# KiCad board weird65.kicad_pcb
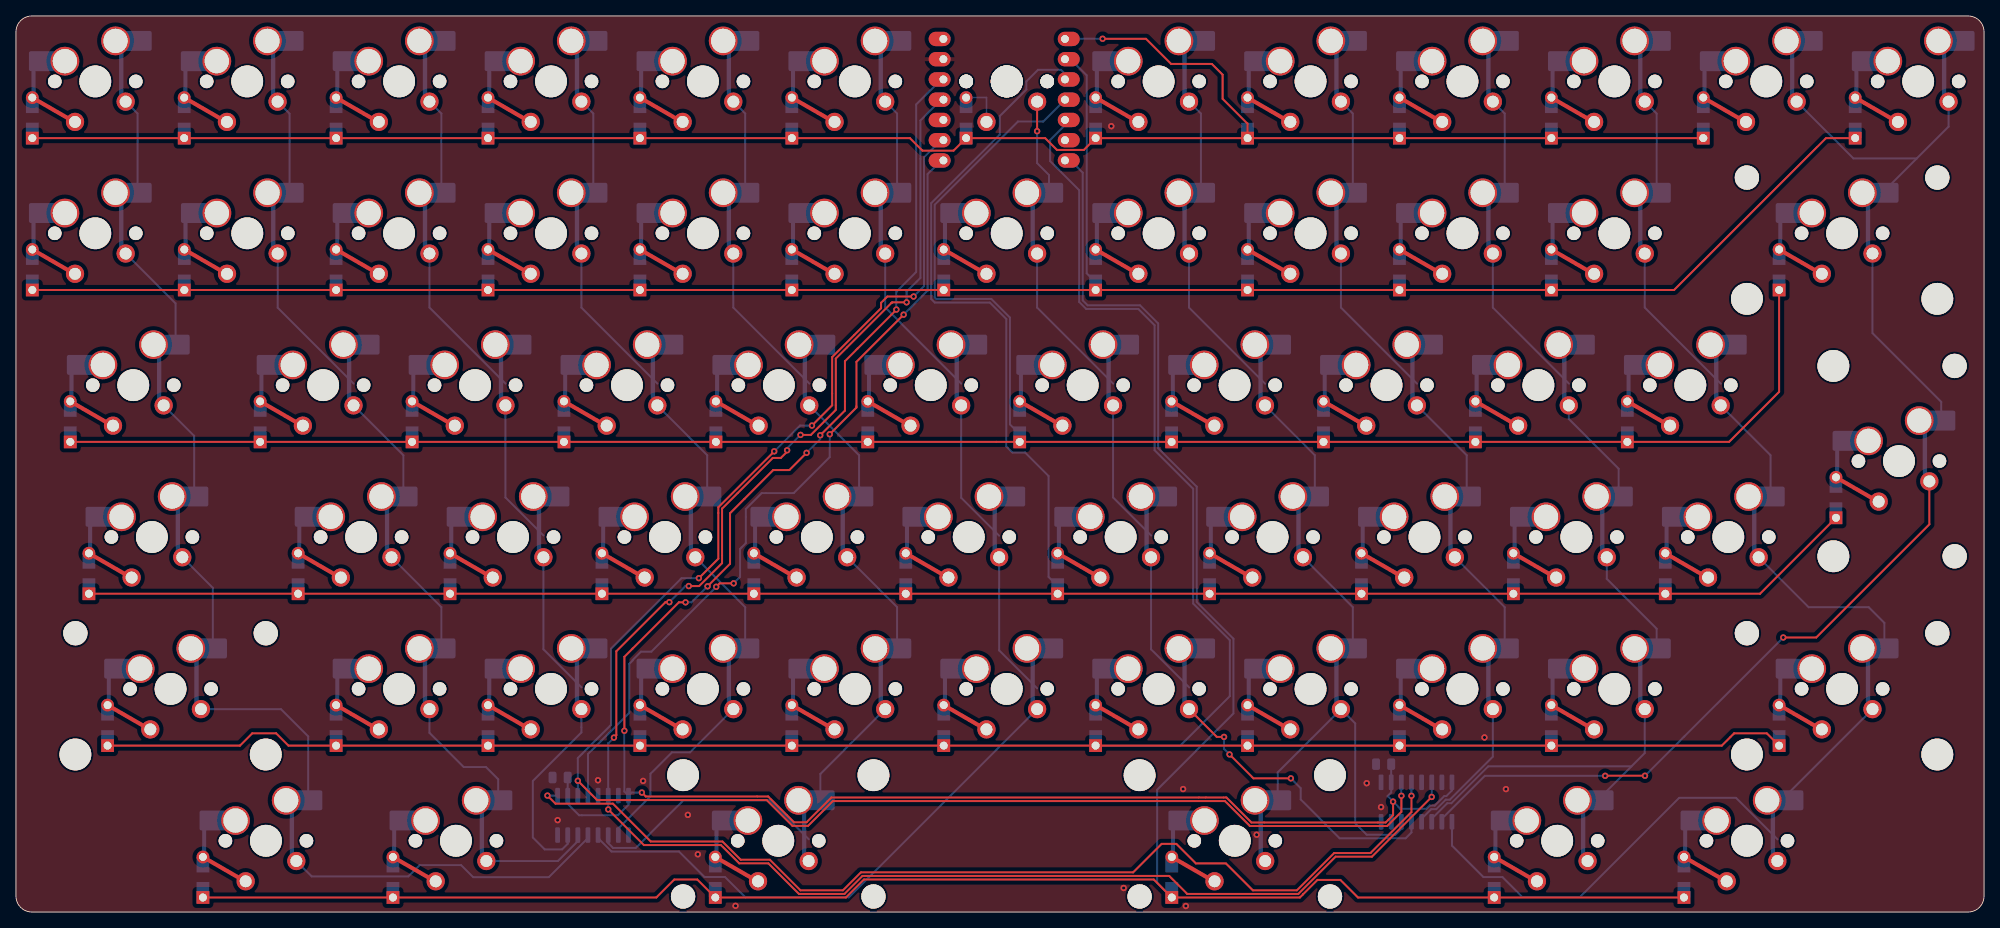
[diagram p0: board, top side]
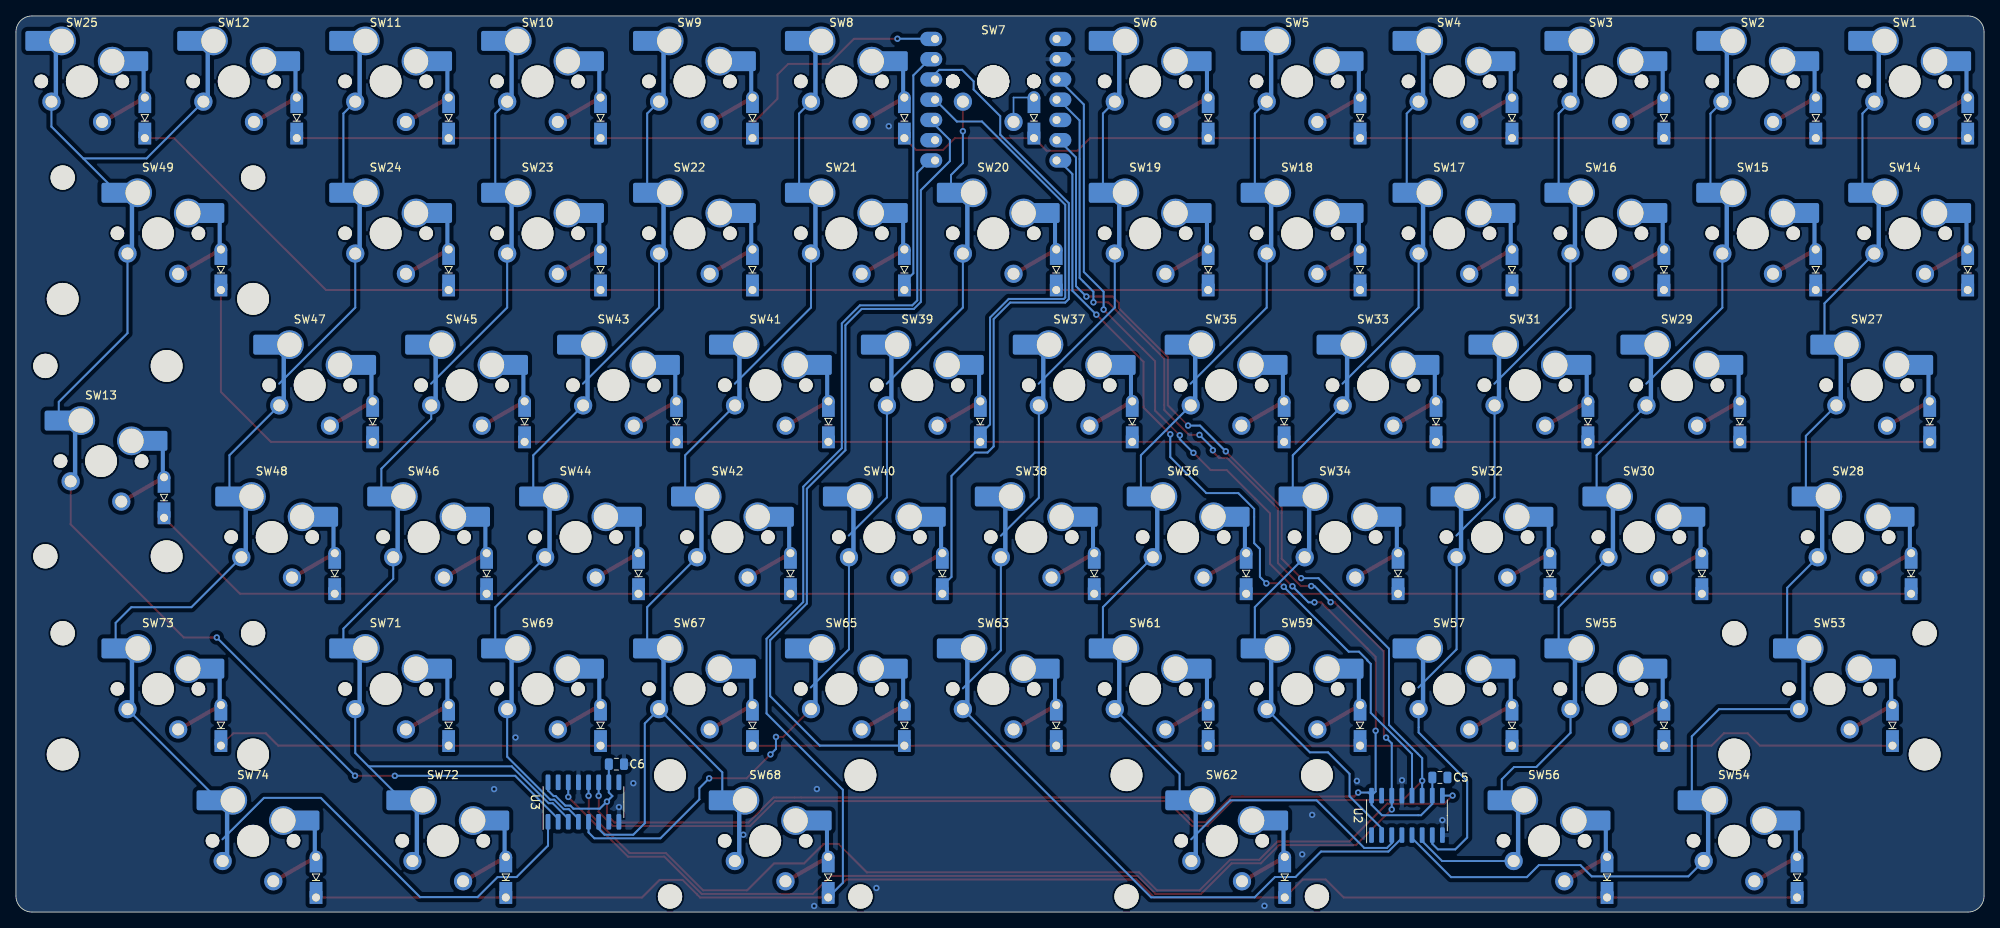
[diagram p1: board, bottom side, seen from below]

Outline 246.81 x 112.4 mm; copper layers: Top, Bottom. Coordinates in mm from the lower left corner of the outline.
Outline path: 0,110.4 0,2 arc(0.59,0.59) 2,0 244.81,0 arc(246.22,0.59) 246.81,2 246.81,110.4 arc(246.22,111.81) 244.81,112.4 2,112.4 arc(0.59,111.81) 0,110.4

## Placement (name value [footprint] x y rotation side)
C5  0.1uF  [C_0805_2012Metric]  68.24 16.88 180 bottom
C6  0.1uF  [C_0805_2012Metric]  171.51 18.55 180 bottom
stab1  MountingHole  [Stabilizer_Cherry_MX_2.00u]  229.01 85.14 0 top
stab2  MountingHole  [Stabilizer_Cherry_MX_2.00u]  236.14 56.56 270 top
stab3  MountingHole  [Stabilizer_Cherry_MX_2.00u]  229.01 27.99 0 top
stab4  MountingHole  [Stabilizer_Cherry_MX_2.00u]  152.85 8.94 180 top
stab5  MountingHole  [Stabilizer_Cherry_MX_2.00u]  95.6 8.94 180 top
stab6  MountingHole  [Stabilizer_Cherry_MX_2.00u]  19.39 27.99 0 top
SW1  SW_Diode  [MX_solder-hotswap_withPads_flippedPins]  9.95 104.19 0 top
SW2  SW_Diode  [MX_solder-hotswap_withPads_flippedPins]  29 104.19 0 top
SW3  SW_Diode  [MX_solder-hotswap_withPads_flippedPins]  48.05 104.19 0 top
SW4  SW_Diode  [MX_solder-hotswap_withPads_flippedPins]  67.1 104.19 0 top
SW5  SW_Diode  [MX_solder-hotswap_withPads_flippedPins]  86.15 104.19 0 top
SW6  SW_Diode  [MX_solder-hotswap_withPads_flippedPins]  105.2 104.19 0 top
SW7  SW_Diode  [MX_solder_flippedPins]  124.25 104.19 0 top
SW8  SW_Diode  [MX_solder-hotswap_withPads_flippedPins]  143.3 104.19 0 top
SW9  SW_Diode  [MX_solder-hotswap_withPads_flippedPins]  162.35 104.19 0 top
SW10  SW_Diode  [MX_solder-hotswap_withPads_flippedPins]  181.4 104.19 0 top
SW11  SW_Diode  [MX_solder-hotswap_withPads_flippedPins]  200.45 104.19 0 top
SW12  SW_Diode  [MX_solder-hotswap_withPads_flippedPins]  219.5 104.19 0 top
SW13  SW_Diode  [MX_solder-hotswap_withPads_flippedPins]  236.14 56.56 0 top
SW14  SW_Diode  [MX_solder-hotswap_withPads_flippedPins]  9.95 85.14 0 top
SW15  SW_Diode  [MX_solder-hotswap_withPads_flippedPins]  29.01 85.14 0 top
SW16  SW_Diode  [MX_solder-hotswap_withPads_flippedPins]  48.05 85.14 0 top
SW17  SW_Diode  [MX_solder-hotswap_withPads_flippedPins]  67.1 85.14 0 top
SW18  SW_Diode  [MX_solder-hotswap_withPads_flippedPins]  86.15 85.14 0 top
SW19  SW_Diode  [MX_solder-hotswap_withPads_flippedPins]  105.2 85.14 0 top
SW20  SW_Diode  [MX_solder-hotswap_withPads_flippedPins]  124.25 85.14 0 top
SW21  SW_Diode  [MX_solder-hotswap_withPads_flippedPins]  143.3 85.14 0 top
SW22  SW_Diode  [MX_solder-hotswap_withPads_flippedPins]  162.35 85.14 0 top
SW23  SW_Diode  [MX_solder-hotswap_withPads_flippedPins]  181.4 85.14 0 top
SW24  SW_Diode  [MX_solder-hotswap_withPads_flippedPins]  200.45 85.14 0 top
SW25  SW_Diode  [MX_solder-hotswap_withPads_flippedPins]  238.55 104.19 0 top
SW27  SW_Diode  [MX_solder-hotswap_withPads_flippedPins]  14.71 66.09 0 top
SW28  SW_Diode  [MX_solder-hotswap_withPads_flippedPins]  17.05 47.04 0 top
SW29  SW_Diode  [MX_solder-hotswap_withPads_flippedPins]  38.52 66.09 0 top
SW30  SW_Diode  [MX_solder-hotswap_withPads_flippedPins]  43.29 47.04 0 top
SW31  SW_Diode  [MX_solder-hotswap_withPads_flippedPins]  57.57 66.09 0 top
SW32  SW_Diode  [MX_solder-hotswap_withPads_flippedPins]  62.34 47.04 0 top
SW33  SW_Diode  [MX_solder-hotswap_withPads_flippedPins]  76.62 66.09 0 top
SW34  SW_Diode  [MX_solder-hotswap_withPads_flippedPins]  81.39 47.04 0 top
SW35  SW_Diode  [MX_solder-hotswap_withPads_flippedPins]  95.67 66.09 0 top
SW36  SW_Diode  [MX_solder-hotswap_withPads_flippedPins]  100.44 47.04 0 top
SW37  SW_Diode  [MX_solder-hotswap_withPads_flippedPins]  114.72 66.09 0 top
SW38  SW_Diode  [MX_solder-hotswap_withPads_flippedPins]  119.49 47.04 0 top
SW39  SW_Diode  [MX_solder-hotswap_withPads_flippedPins]  133.77 66.09 0 top
SW40  SW_Diode  [MX_solder-hotswap_withPads_flippedPins]  138.54 47.04 0 top
SW41  SW_Diode  [MX_solder-hotswap_withPads_flippedPins]  152.82 66.09 0 top
SW42  SW_Diode  [MX_solder-hotswap_withPads_flippedPins]  157.59 47.04 0 top
SW43  SW_Diode  [MX_solder-hotswap_withPads_flippedPins]  171.87 66.09 0 top
SW44  SW_Diode  [MX_solder-hotswap_withPads_flippedPins]  176.64 47.04 0 top
SW45  SW_Diode  [MX_solder-hotswap_withPads_flippedPins]  190.92 66.09 0 top
SW46  SW_Diode  [MX_solder-hotswap_withPads_flippedPins]  195.69 47.04 0 top
SW47  SW_Diode  [MX_solder-hotswap_withPads_flippedPins]  209.97 66.09 0 top
SW48  SW_Diode  [MX_solder-hotswap_withPads_flippedPins]  214.74 47.04 0 top
SW49  SW_Diode  [MX_solder-hotswap_withPads_flippedPins]  229.01 85.14 0 top
SW53  SW_Diode  [MX_solder-hotswap_withPads_flippedPins]  19.39 27.99 0 top
SW54  SW_Diode  [MX_solder-hotswap_withPads_flippedPins]  31.35 8.94 0 top
SW55  SW_Diode  [MX_solder-hotswap_withPads_flippedPins]  48.05 27.99 0 top
SW56  SW_Diode  [MX_solder-hotswap_withPads_flippedPins]  55.18 8.94 0 top
SW57  SW_Diode  [MX_solder-hotswap_withPads_flippedPins]  67.1 27.99 0 top
SW59  SW_Diode  [MX_solder-hotswap_withPads_flippedPins]  86.15 27.99 0 top
SW61  SW_Diode  [MX_solder-hotswap_withPads_flippedPins]  105.2 27.99 0 top
SW62  SW_Diode  [MX_solder-hotswap_withPads_flippedPins]  95.6 8.94 0 top
SW63  SW_Diode  [MX_solder-hotswap_withPads_flippedPins]  124.25 27.99 0 top
SW65  SW_Diode  [MX_solder-hotswap_withPads_flippedPins]  143.3 27.99 0 top
SW67  SW_Diode  [MX_solder-hotswap_withPads_flippedPins]  162.35 27.99 0 top
SW68  SW_Diode  [MX_solder-hotswap_withPads_flippedPins]  152.85 8.94 0 top
SW69  SW_Diode  [MX_solder-hotswap_withPads_flippedPins]  181.4 27.99 0 top
SW71  SW_Diode  [MX_solder-hotswap_withPads_flippedPins]  200.45 27.99 0 top
SW72  SW_Diode  [MX_solder-hotswap_withPads_flippedPins]  193.28 8.94 0 top
SW73  SW_Diode  [MX_solder-hotswap_withPads_flippedPins]  229.01 27.99 0 top
SW74  SW_Diode  [MX_solder-hotswap_withPads_flippedPins]  217.08 8.94 0 top
U1  SeeeduinoXIAO  [xiao-ble-tht-noUnderpads-backmounted]  123.93 101.9 180 bottom
U2  74HC595  [SOIC-16_3.9x9.9mm_P1.27mm]  72.37 12.13 90 bottom
U3  74HC595  [SOIC-16_3.9x9.9mm_P1.27mm]  175.64 13.8 90 bottom

## Library data of the parts
C5 C6 = -: Description: Unpolarized capacitor; LCSC: C77456; manf#: 0805B104K101CT
stab1-stab6 = -: Description: Mounting Hole without connection
SW1-SW25 SW27-SW49 SW53-SW57 SW59 SW61-SW63 SW65 SW67-SW69 SW71-SW74 = -: Description: Push button switch, generic, two pins
U2 U3 = -: Description: 8-bit serial in/out Shift Register 3-State Outputs; LCSC: C10092

## Footprints (pads in the part's own frame, mm; a bottom-side part is the same pattern mirrored in y, then rotated)
C_0805_2012Metric
  rrect 1x1.45 smd: 1(-0.95,0) 2(0.95,0)
MX_solder-hotswap_withPads_flippedPins
  round 1.702 hole 1.702 unplated: (-5.08,0) (5.08,0)
  round 2.286 hole 1.499: (-2.54,-5.08) 1(3.81,-2.54)
  round 3.988 hole 3.988 unplated: (0,0)
  round 3.6 hole 3.05: 1(2.54,5.08) 3(-3.81,2.54)
  rrect 0.544x6.1 smd far side: 1(3.253,0.85)
  rrect 3.55x2.5 smd far side: 1(5.3,5.08) 3(-6.55,2.54)
  rect 1.6x1.94 smd far side: 2(-7.9,-6.144) 3(-7.9,-3.004)
  rect 1.6x1.6 hole 1: 2(-7.9,-7.114)
  round 1.6 hole 1: 3(-7.9,-2.034)
  rect 0.506x3.31 smd far side: 3(-7.746,0.115)
  rect 0.506x5.36 smd rot 60: 3(-5.399,-3.479)
MX_solder_flippedPins
  round 1.6 hole 1: (-5.1,-2.034)
  rect 1.6x1.94 smd far side: (-5.1,-3.004) (-5.1,-6.144)
  round 1.702 hole 1.702 unplated: (-5.08,0) (-5.08,0) (-5.08,0) (5.08,0) (5.08,0) (5.08,0)
  round 2.286 hole 1.499: (-2.54,-5.08) 1(3.81,-2.54)
  round 3.988 hole 3.988 unplated: (0,0) (0,0) (0,0)
  rect 1.6x1.6 hole 1: 2(-5.1,-7.114)
SOIC-16_3.9x9.9mm_P1.27mm
  rrect 1.95x0.6 smd: 1(-2.475,4.445) 2(-2.475,3.175) 3(-2.475,1.905) 4(-2.475,0.635) 5(-2.475,-0.635) 6(-2.475,-1.905) 7(-2.475,-3.175) 8(-2.475,-4.445) 9(2.475,-4.445) 10(2.475,-3.175) 11(2.475,-1.905) 12(2.475,-0.635) 13(2.475,0.635) 14(2.475,1.905) 15(2.475,3.175) 16(2.475,4.445)
Stabilizer_Cherry_MX_2.00u
  round 3.048 hole 3.048 unplated: (-11.938,6.985) (11.938,6.985)
  round 3.988 hole 3.988 unplated: (-11.938,-8.225) (11.938,-8.225)
xiao-ble-tht-noUnderpads-backmounted
  oval 2.75x1.8 hole 1: 1(-7.62,7.62) 2(-7.62,5.08) 3(-7.62,2.54) 4(-7.62,0) 5(-7.62,-2.54) 6(-7.62,-5.08) 7(-7.62,-7.62) 8(7.62,-7.62) 9(7.62,-5.08) 10(7.62,-2.54) 11(7.62,0) 12(7.62,2.54) 13(7.62,5.08) 14(7.62,7.62)

## Nets
GND: C5.2 C6.2 U1.13 U2.8 U2.13 U3.8 U3.13
VCC: C5.1 C6.1 U1.12 U2.10 U2.16 U3.10 U3.16
col1: SW1.1 SW14.1 SW27.1 SW28.1 SW53.1 SW54.1 U2.5
col2: SW2.1 SW15.1 SW29.1 SW30.1 SW55.1 SW56.1 U2.6
col3: SW3.1 SW16.1 SW31.1 SW32.1 SW57.1 U2.7
col4: SW4.1 SW17.1 SW33.1 SW34.1 SW59.1 U2.2
col5: SW5.1 SW18.1 SW35.1 SW36.1 SW61.1 SW62.1 U2.3
col6: SW6.1 SW19.1 SW37.1 SW38.1 SW63.1 U2.4
col7: SW7.1 SW20.1 SW39.1 SW40.1 SW65.1 U3.5
col8: SW8.1 SW21.1 SW41.1 SW42.1 SW67.1 SW68.1 U3.6
col9: SW9.1 SW22.1 SW43.1 SW44.1 SW69.1 U3.4
col10: SW10.1 SW23.1 SW45.1 SW46.1 SW71.1 SW72.1 U3.3
col11: SW11.1 SW24.1 SW47.1 SW48.1 SW73.1 SW74.1 U3.1
col12: SW12.1 SW13.1 SW25.1 SW49.1 U3.2
MOSI: U1.11 U2.14 U3.14
row1: SW1.2 SW2.2 SW3.2 SW4.2 SW5.2 SW6.2 SW7.2 SW8.2 SW9.2 SW10.2 SW11.2 SW12.2 U1.1
row2: SW14.2 SW15.2 SW16.2 SW17.2 SW18.2 SW19.2 SW20.2 SW21.2 SW22.2 SW23.2 SW24.2 SW25.2 U1.2
row3: SW27.2 SW29.2 SW31.2 SW33.2 SW35.2 SW37.2 SW39.2 SW41.2 SW43.2 SW45.2 SW47.2 SW49.2 U1.4
row4: SW13.2 SW28.2 SW30.2 SW32.2 SW34.2 SW36.2 SW38.2 SW40.2 SW42.2 SW44.2 SW46.2 SW48.2 U1.3
row5: SW53.2 SW55.2 SW57.2 SW59.2 SW61.2 SW63.2 SW65.2 SW67.2 SW69.2 SW71.2 SW73.2 U1.5
row6: SW54.2 SW56.2 SW62.2 SW68.2 SW72.2 SW74.2 U1.7
SCLK: U1.9 U2.11 U3.11
SR_CS1: U1.8 U2.12
Net-(U2-QH'): U2.9 U3.12

Pads without a net: SW1 3; SW2 3; SW3 3; SW4 3; SW5 3; SW6 3; SW8 3; SW9 3; SW10 3; SW11 3; SW12 3; SW13 3; SW14 3; SW15 3; SW16 3; SW17 3; SW18 3; SW19 3; SW20 3; SW21 3; SW22 3; SW23 3; SW24 3; SW25 3; SW27 3; SW28 3; SW29 3; SW30 3; SW31 3; SW32 3; SW33 3; SW34 3; SW35 3; SW36 3; SW37 3; SW38 3; SW39 3; SW40 3; SW41 3; SW42 3; SW43 3; SW44 3; SW45 3; SW46 3; SW47 3; SW48 3; SW49 3; SW53 3; SW54 3; SW55 3; SW56 3; SW57 3; SW59 3; SW61 3; SW62 3; SW63 3; SW65 3; SW67 3; SW68 3; SW69 3; SW71 3; SW72 3; SW73 3; SW74 3; U1 6 10 14; U2 1 15; U3 7 9 15

## Via types
v1: diameter 0.8, hole 0.4, Top to Bottom, 51 vias

## Routing (per net, layer and track width the routed paths; a pad name or vN(x,y) marks a point on that pad's centre or on a via; arc(x,y) is an arc through that point)
GND:
  vias: v1(67.93,11.53) v1(72.99,16.53) v1(78.65,16.45) v1(84.26,12.19) v1(85.51,7.24) v1(90.24,0.78) v1(137.36,98.57) v1(138.91,3.02) v1(146.37,15.43) v1(146.71,0.76) v1(155.59,9.7) v1(169.39,16.16) v1(171.19,13.17) v1(184.16,21.9) v1(186.85,15.42)
VCC: length 239
  Top w0.25: v1(110.41,75.57) 110.41,75.55 103.96,69.1 103.96,62.9 v1(100.86,59.8) ; v1(99.15,57.6) 96.99,55.44 94.97,55.44 89.55,50.02 89.55,43.68 v1(86.73,40.86) ; v1(83.97,38.85) 83.13,38.85 76.3,32.02 v1(76.3,22.74) ; v1(172.7,13.85) 172.7,12.17 171.77,11.24 154.93,11.24 151.8,14.37 102.25,14.37 99.14,11.26 97.57,11.26 94.33,14.5 78.99,14.5 v1(78.49,14.99)
  Bottom w0.25: v1(83.97,38.85) 84.72,38.85 v1(86.73,40.86) ; 76.81,14.6 76.81,13.45 75.5,12.14 70.61,12.14 69.19,13.56 69.19,14.6 ; 76.81,14.6 76.3,15.12 v1(76.3,22.74) ; 76.81,14.6 77.2,14.99 v1(78.49,14.99) ; 116.06,104.46 112.89,101.29 112.89,80.29 110.41,77.81 v1(110.41,75.57) ; 180.09,16.27 180.09,15.25 179.38,14.55 179.12,14.55 177.92,13.35 177.29,13.35 176.91,12.97 173.59,12.97 172.71,13.85 v1(172.7,13.85) 172.7,13.86 172.01,14.55 172.47,15 172.47,16.27 ; v1(100.86,59.8) 100.86,59.31 v1(99.15,57.6) ; C6.1 172.46,16.28 ; C5.1 69.19,14.61
col1: length 114.7
  Bottom w0.25: SW27.1 22.35,59.72 22.35,52.37 ; SW28.1 24.69,40.67 24.69,33.31 ; SW54.1 37.09,4.47 49.2,4.47 50.62,5.89 55.82,5.89 57.33,4.38 66.84,4.38 71.74,9.28 U2.5 ; SW14.1 20.01,76.35 20.01,71.41 ; SW53.1 33.23,25.45 36.65,22.03 36.65,14.26 ; SW1.1 15.25,100.16 15.25,90.46
col2: length 89.3
  Bottom w0.25: SW29.1 48.59,57.3 48.59,52.37 ; SW15.1 32.82,75.81 42.35,66.27 ; SW2.1 34.31,100.15 34.31,90.46 ; U2.6 70.47,8.9 67.96,6.4 SW56.1 ; SW55.1 51.86,22.48 56.15,18.19 58.94,18.19 60.48,16.65 60.48,14.26 ; SW30.1 53.35,38.25 53.35,33.31
col3: length 93.7
  Bottom w0.25: 70.93,28.18 66.15,32.96 SW32.1 ; 69.19,9.65 69.19,8.56 68.49,7.86 66.31,7.86 64.82,9.35 64.82,16.44 70.91,22.53 SW57.1 ; 66.17,47.22 61.38,52.01 SW31.1 ; SW3.1 53.35,100.16 53.35,90.46 ; SW16.1 51.86,75.82 61.4,66.27
col4: length 82.7
  Bottom w0.25: 72.4,90.46 72.4,100.16 SW4.1 ; 86.69,52.37 86.69,57.3 SW33.1 ; SW59.1 84.54,20.03 82.26,20.03 79.57,17.34 79.57,14.53 75.54,10.5 U2.2 ; SW17.1 70.91,75.82 80.45,66.27 ; SW34.1 91.45,38.25 91.45,33.31
col5: length 105.1
  Bottom w0.25: 110.5,33.31 110.5,38.25 SW36.1 ; SW35.1 105.74,57.3 105.74,52.37 ; 99.5,66.27 89.96,75.82 SW18.1 ; SW61.1 100.88,17.32 100.88,14.26 ; SW5.1 91.45,100.16 91.45,90.46 ; U2.3 74.27,8.64 74.88,8.04 77.72,8.04 83.69,14.01 94.54,14.01 99.43,9.12
col6: length 137.1
  Bottom w0.25: 118.55,66.27 109.01,75.82 SW19.1 ; U2.4 73,9.28 74.69,7.59 83.15,7.59 86.34,4.4 88.92,4.4 91.47,1.85 104.46,1.85 SW63.1 ; 123.3,47.2 118.53,51.97 SW37.1 ; 110.5,90.46 110.5,100.16 SW6.1 ; 128.06,28.06 123.3,32.82 SW38.1
col7: length 106.7
  Top w0.25: v1(151.5,21.97) 150.59,21.97 SW65.1 ; v1(152.19,19.77) 155.19,16.77 v1(159.88,16.77) ; SW7.1 v1(128.06,97.94)
  Bottom w0.25: SW39.1 137.58,52.01 142.37,47.22 ; v1(128.06,97.94) 128.06,93.94 129.55,92.45 129.55,90.46 ; 147.13,28.18 142.35,32.96 SW40.1 ; U3.5 175,9.98 174.27,9.25 165.99,9.25 161.11,14.13 161.11,15.54 v1(159.88,16.77) ; v1(152.19,19.77) 151.5,20.46 v1(151.5,21.97) ; SW20.1 128.06,75.82 137.6,66.27
col8: length 96.7
  Bottom w0.25: SW41.1 162.89,57.3 162.89,52.37 ; SW21.1 147.11,75.82 156.65,66.27 ; SW8.1 148.6,100.16 148.6,90.46 ; 158.23,14.26 158.23,17.52 SW67.1 167.95,23.66 167.95,11.14 169.39,9.7 173,9.7 173.74,10.44 U3.6 ; SW42.1 167.65,38.25 167.65,33.31
col9: length 78.1
  Bottom w0.25: SW22.1 166.16,75.82 175.7,66.27 ; 181.94,52.37 181.94,57.3 SW43.1 ; U3.4 176.27,11.7 177.47,12.9 178.11,12.9 179.31,14.1 179.82,14.1 185.21,19.49 SW69.1 ; SW44.1 186.7,38.25 186.7,33.31 ; 167.65,90.46 167.65,100.16 SW9.1
col10: length 101.3
  Bottom w0.25: SW71.1 204.26,19.94 198.58,14.26 ; SW23.1 185.21,75.82 194.75,66.27 ; 186.7,90.46 186.7,100.16 SW10.1 ; SW46.1 199.5,41.79 205.75,35.54 205.75,33.31 ; 200.99,52.37 200.99,55.6 194.73,61.86 SW45.1 ; 202.59,18.28 184.64,18.28 180.01,13.65 179.49,13.65 177.54,11.7 U3.3
col11: length 137.3
  Bottom w0.25: 213.8,66.27 204.26,75.82 SW24.1 ; SW48.1 224.81,38.24 232.34,38.24 234.31,36.27 234.31,33.31 ; U3.1 180.09,8.33 184.03,4.39 186.41,4.39 188.92,1.88 196.13,1.88 208.57,14.32 215.71,14.32 220.91,9.12 ; SW47.1 220.04,57.3 220.04,52.37 ; SW73.1 222.38,15.01 222.38,14.26 ; SW11.1 205.75,100.16 205.75,90.46
col12: length 139
  Top w0.25: SW13.1 239.95,48.63 225.76,34.44 v1(221.63,34.44) ; v1(204.29,17.1) 199.31,17.1
  Bottom w0.25: SW49.1 232.82,72.61 241.44,63.99 241.44,61.89 ; U3.2 178.81,11.7 184.2,17.09 v1(199.3,17.09) ; v1(221.63,34.44) v1(204.29,17.1) ; SW12.1 230.43,94.53 238.36,94.53 ; 234.31,90.46 242.36,98.51 SW25.1
MOSI: length 226.5
  Top w0.25: v1(74.28,12.87) 78.75,8.4 88.41,8.4 90.7,6.11 94.36,6.11 98.19,2.28 103.9,2.28 106.15,4.53 144.63,4.53 146.88,2.28 160.82,2.28 165.49,6.95 170.05,6.95 v1(177.54,14.44) ; v1(84.37,40.89) 85.68,40.89 88.55,43.76 88.55,50.6 94.91,56.96 95.92,56.96 96.71,57.75 v1(96.71,57.92) ; v1(74.99,21.88) 75.29,22.18 75.29,32.71 81.45,38.87 v1(81.94,38.87) ; v1(98.39,59.85) 99.68,59.85 102.81,62.98 102.81,69.42 109.79,76.4 109.8,76.4 109.88,76.48 v1(111.69,76.48)
  Bottom w0.25: 177.54,16.27 177.54,14.44 v1(177.54,14.44) ; v1(81.94,38.87) 83.96,40.89 v1(84.37,40.89) ; v1(74.99,21.88) 74.27,21.16 U2.14 74.27,12.88 v1(74.28,12.87) ; v1(98.39,59.85) 96.71,58.17 v1(96.71,57.92) ; 116.06,101.92 113.42,99.29 113.42,79.54 111.69,77.81 v1(111.69,76.48)
row1: length 242.3
  Top w0.25: SW9.2 SW8.2 133.91,95.59 130.55,95.59 129.07,97.08 SW7.2 117.57,95.5 113.68,95.5 112.11,97.08 SW6.2 SW5.2 SW4.2 SW3.2 SW2.2 SW1.2 ; SW9.2 SW10.2 SW11.2 SW12.2 ; SW9.2 154.45,98.88 151.32,102.01 151.32,105.03 149.97,106.38 144.86,106.38 141.71,109.53 136.28,109.53 v1(136.27,109.54)
  Bottom w0.25: v1(136.27,109.54) 132.22,109.54
row2: length 265.8
  Top w0.25: SW14.2 SW15.2 SW16.2 SW17.2 SW18.2 SW19.2 SW20.2 SW21.2 SW22.2 SW23.2 SW24.2 207.94,78.03 226.99,97.08 SW25.2
  Bottom w0.25: 132.22,107 134.27,104.95 134.27,80.12 SW21.2
row3: length 288.7
  Top w0.25: SW27.2 SW29.2 SW31.2 SW33.2 SW35.2 SW37.2 SW39.2 SW41.2 SW43.2 SW45.2 SW47.2 214.84,58.98 221.11,65.25 SW49.2
  Bottom w0.25: SW39.2 124.65,61.17 124.65,74.57 122.31,76.91 122.3,76.9 115.41,76.9 115.22,77.09 115.22,88.72 125.66,99.16 128.81,99.16 U1.4
row4: length 309.4
  Top w0.25: SW28.2 SW30.2 SW32.2 SW34.2 SW36.2 SW38.2 SW40.2 SW42.2 SW44.2 SW46.2 SW48.2 218.71,39.93 SW13.2
  Bottom w0.25: SW40.2 129.49,42.04 129.49,54.7 126.55,57.64 124.96,57.64 124.2,58.4 124.2,74.38 122.13,76.45 115.22,76.45 114.77,76.9 114.77,88.91 123.38,97.52 123.38,99.84 126.71,103.17 126.71,104.19 128.16,105.64 131.04,105.64 132.22,104.46
row5: length 318.1
  Top w0.25: SW53.2 28.1,20.88 29.64,22.42 32.63,22.42 34.17,20.88 SW55.2 SW57.2 SW59.2 SW61.2 SW63.2 SW65.2 SW67.2 SW69.2 SW71.2 213.93,20.88 215.47,22.42 219.57,22.42 SW73.2
  Bottom w0.25: 132.22,99.38 129.69,96.85 129.69,94.19 133.33,90.55 133.33,76.53 134.21,75.65 140.75,75.65 142.79,73.61 142.79,57.93 147.63,53.09 147.63,38.69 152.23,34.09 152.23,27.09 146.02,20.88 SW65.2
row6: length 300.8
  Top w0.25: SW54.2 SW56.2 80.31,1.83 82.56,4.08 85.45,4.08 SW62.2 104.09,1.83 106.34,4.08 142.7,4.08 SW68.2 161.02,1.83 161.41,2.22 161.41,2.23 163.21,4.03 166.09,4.03 168.29,1.83 SW72.2 SW74.2
  Bottom w0.25: 132.22,94.3 133.78,92.74 133.78,76.72 134.4,76.1 140.97,76.1 143.24,73.83 143.24,58.19 148.08,53.35 148.08,38.88 152.68,34.28 152.68,24.91 143.11,15.34 143.11,3.67 SW68.2
SCLK: length 217.9
  Top w0.25: v1(70.46,16.47) 72.88,14.04 94.14,14.04 97.38,10.81 99.33,10.81 102.44,13.92 151.61,13.92 154.74,10.79 171.96,10.79 173.74,12.57 v1(173.74,14.58) ; v1(95.09,57.79) 95.09,57.78 88.08,50.77 88.08,44.32 v1(85.64,41.88) ; v1(112.57,77.2) 109.27,77.2 108.49,76.42 108.49,75.74 102.36,69.61 102.36,63.56 v1(99.82,61.02)
  Bottom w0.25: 116.06,96.84 113.87,94.66 113.87,78.51 v1(112.57,77.2) ; v1(99.82,61.02) 98.32,61.02 v1(95.09,57.79) ; v1(173.74,14.58) 173.74,14.58 173.74,16.27 ; v1(85.64,41.88) 83.47,41.88 74.62,33.03 74.62,23.47 70.46,19.31 v1(70.46,16.47) ; U2.11 70.47,16.46
SR_CS1: length 102.2
  Top w0.25: v1(102.05,59.93) 105.4,63.28 105.4,69.01 v1(111.32,74.93) ; v1(90,41.23) 88.25,41.23 v1(87.82,40.8)
  Bottom w0.25: v1(87.82,40.8) 79.68,32.66 78.38,32.66 77.35,31.63 77.35,31.57 76.91,31.13 76.91,24.99 71.74,19.81 U2.12 ; v1(90,41.23) 90.81,42.04 90.81,45.55 91.53,46.27 91.53,50.56 93.52,52.55 97.53,52.55 102.05,57.07 v1(102.05,59.93) ; 116.06,94.3 114.32,92.57 114.32,77.93 v1(111.32,74.93)
Net-(U2-QH'): length 127.2
  Top w0.25: v1(66.65,14.61) 67.66,13.59 74.87,13.59 79.61,8.85 88.6,8.85 90.89,6.56 94.55,6.56 98.38,2.73 103.71,2.73 105.97,4.98 140.1,4.98 143.67,8.55 145.52,8.55 147.97,6.1 151.74,6.1 155.11,2.73 160.63,2.73 165.31,7.4 169.86,7.4 175,12.54 v1(175,14.58)
  Bottom w0.25: v1(66.65,14.61) 67.92,14.61 U2.9 ; v1(175,14.58) 175,14.79 175,14.79 175,16.27

## Copper pours and planes (outline as drawn; the poured copper is in the pictures)
GND on Top, Bottom: -16.47,133.02 270.78,133.02 270.78,-29.94 -16.47,-29.94
